# KiCad board 5x5x2-part2.kicad_pcb
title: Orochi 5x5x2; date: 2022-06-25; company: Willem Dijkstra
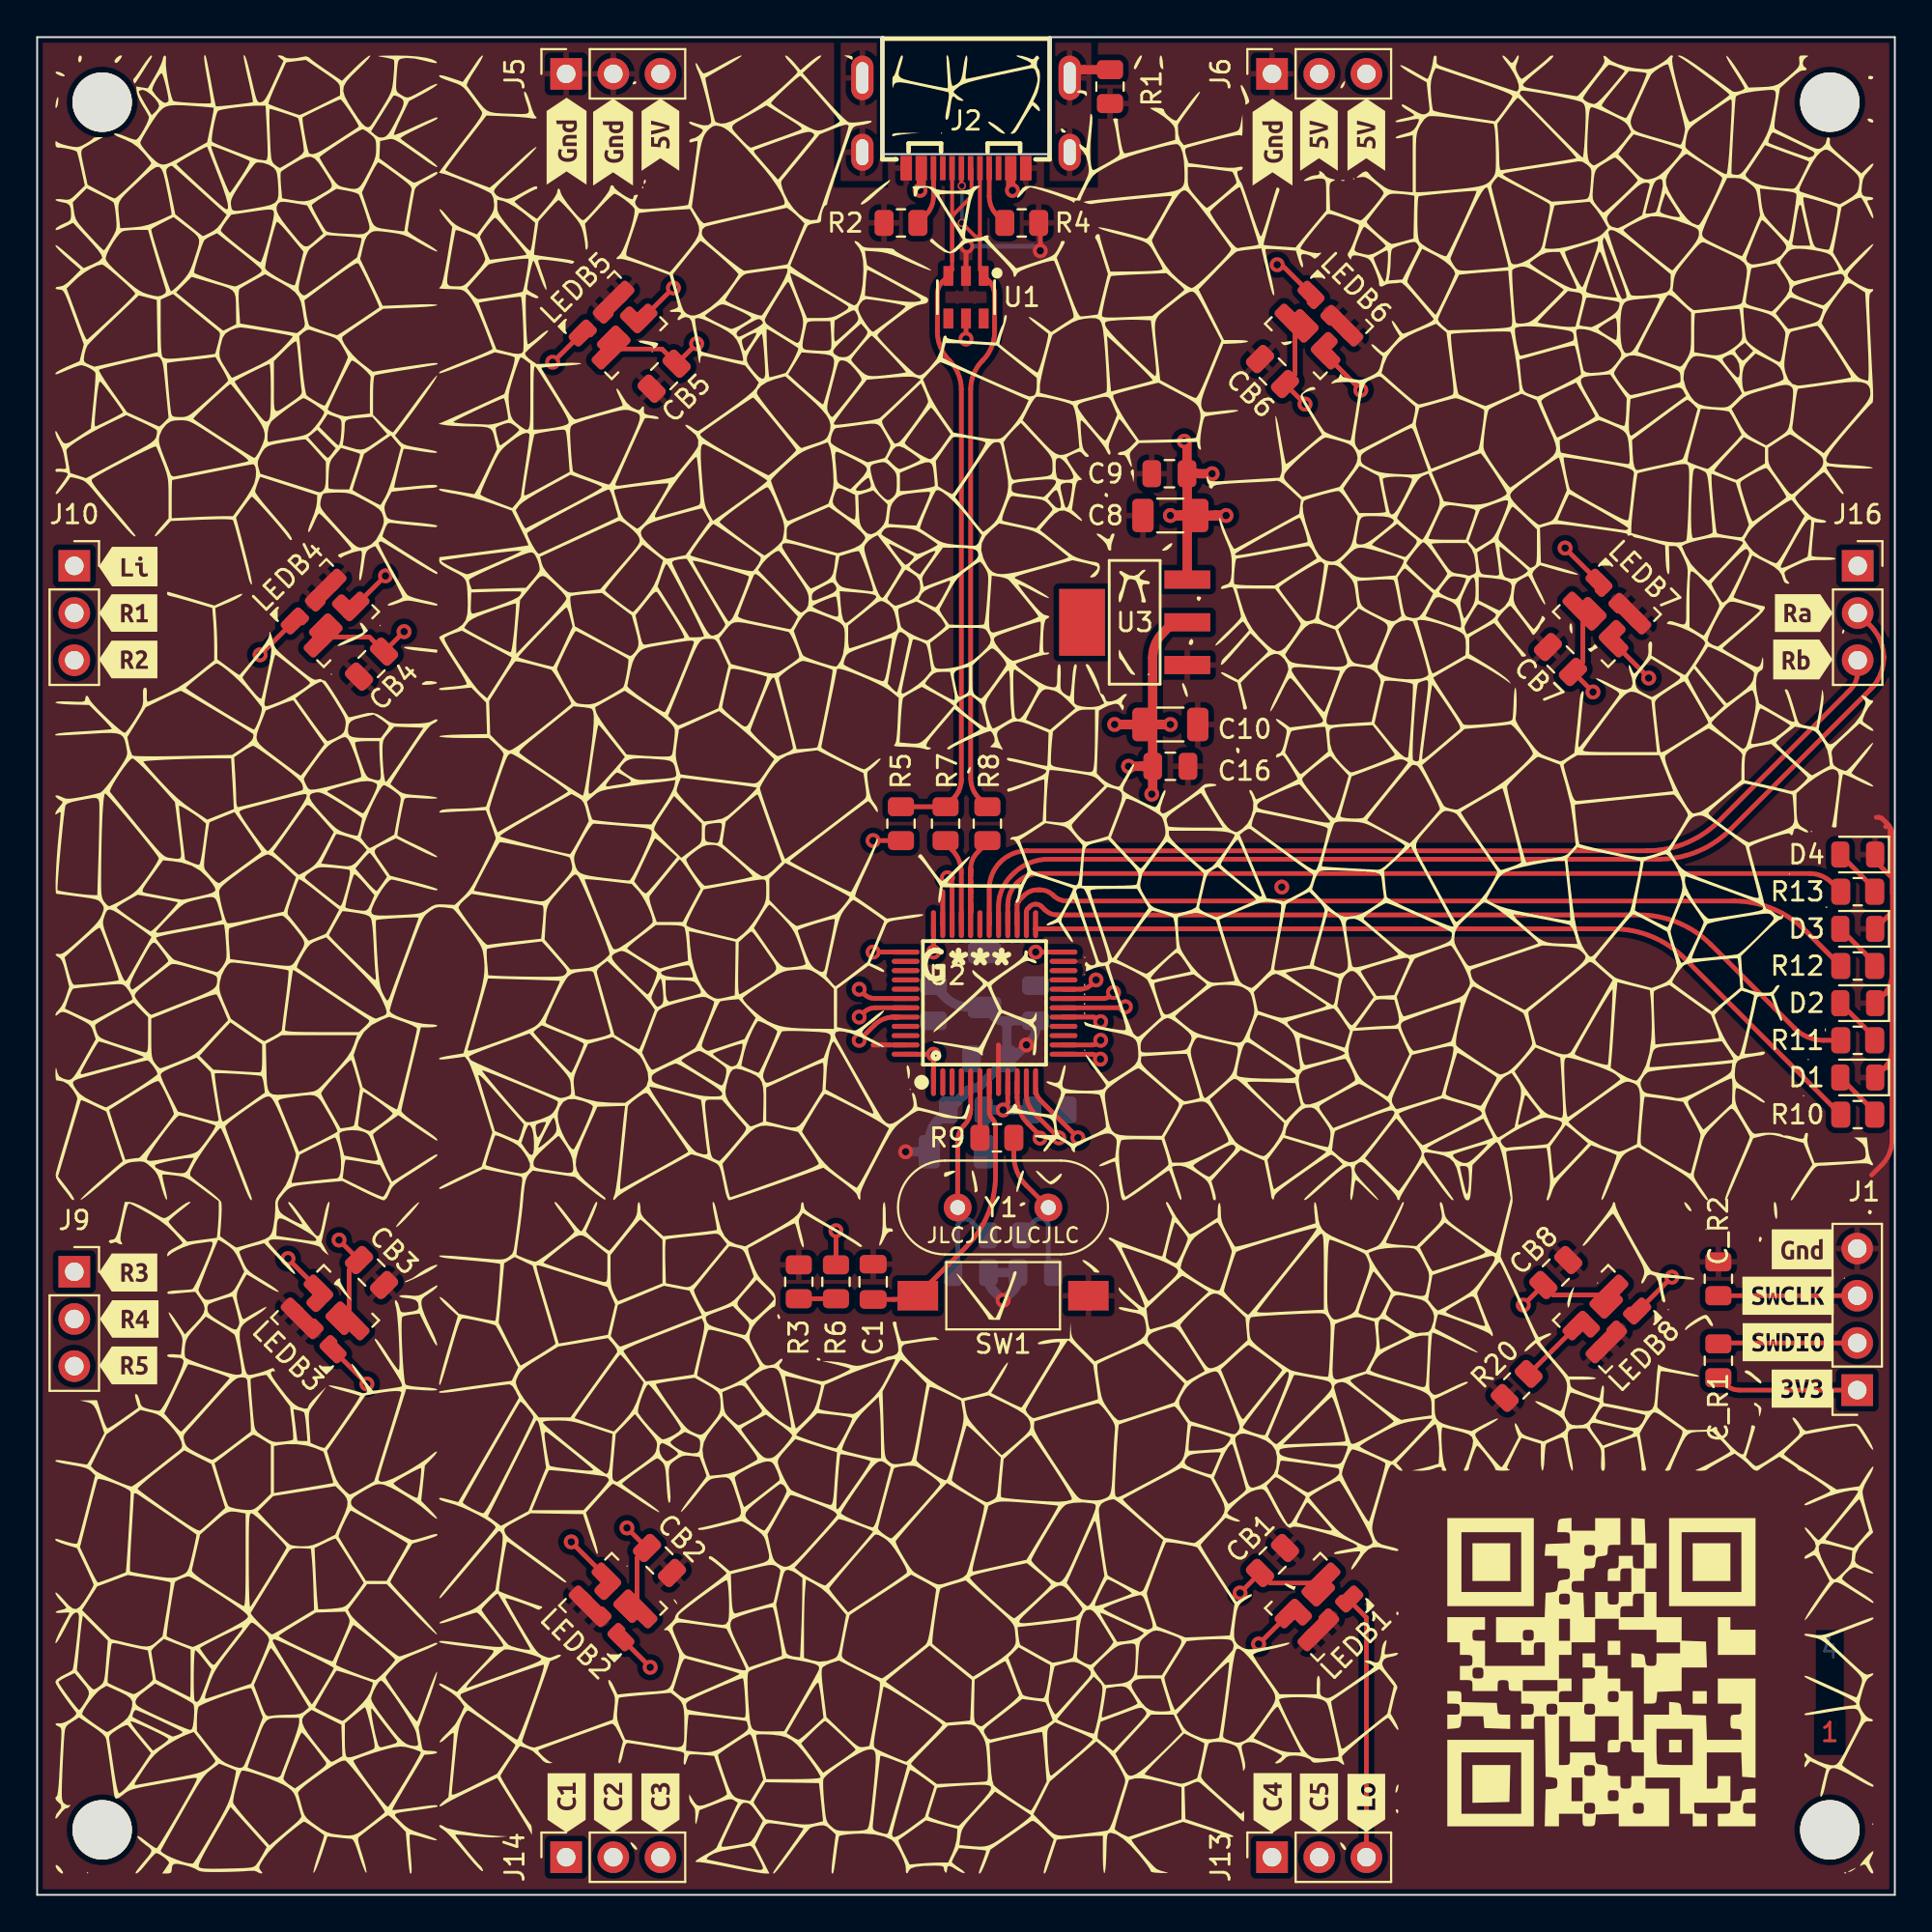
[diagram p0: board, top side]
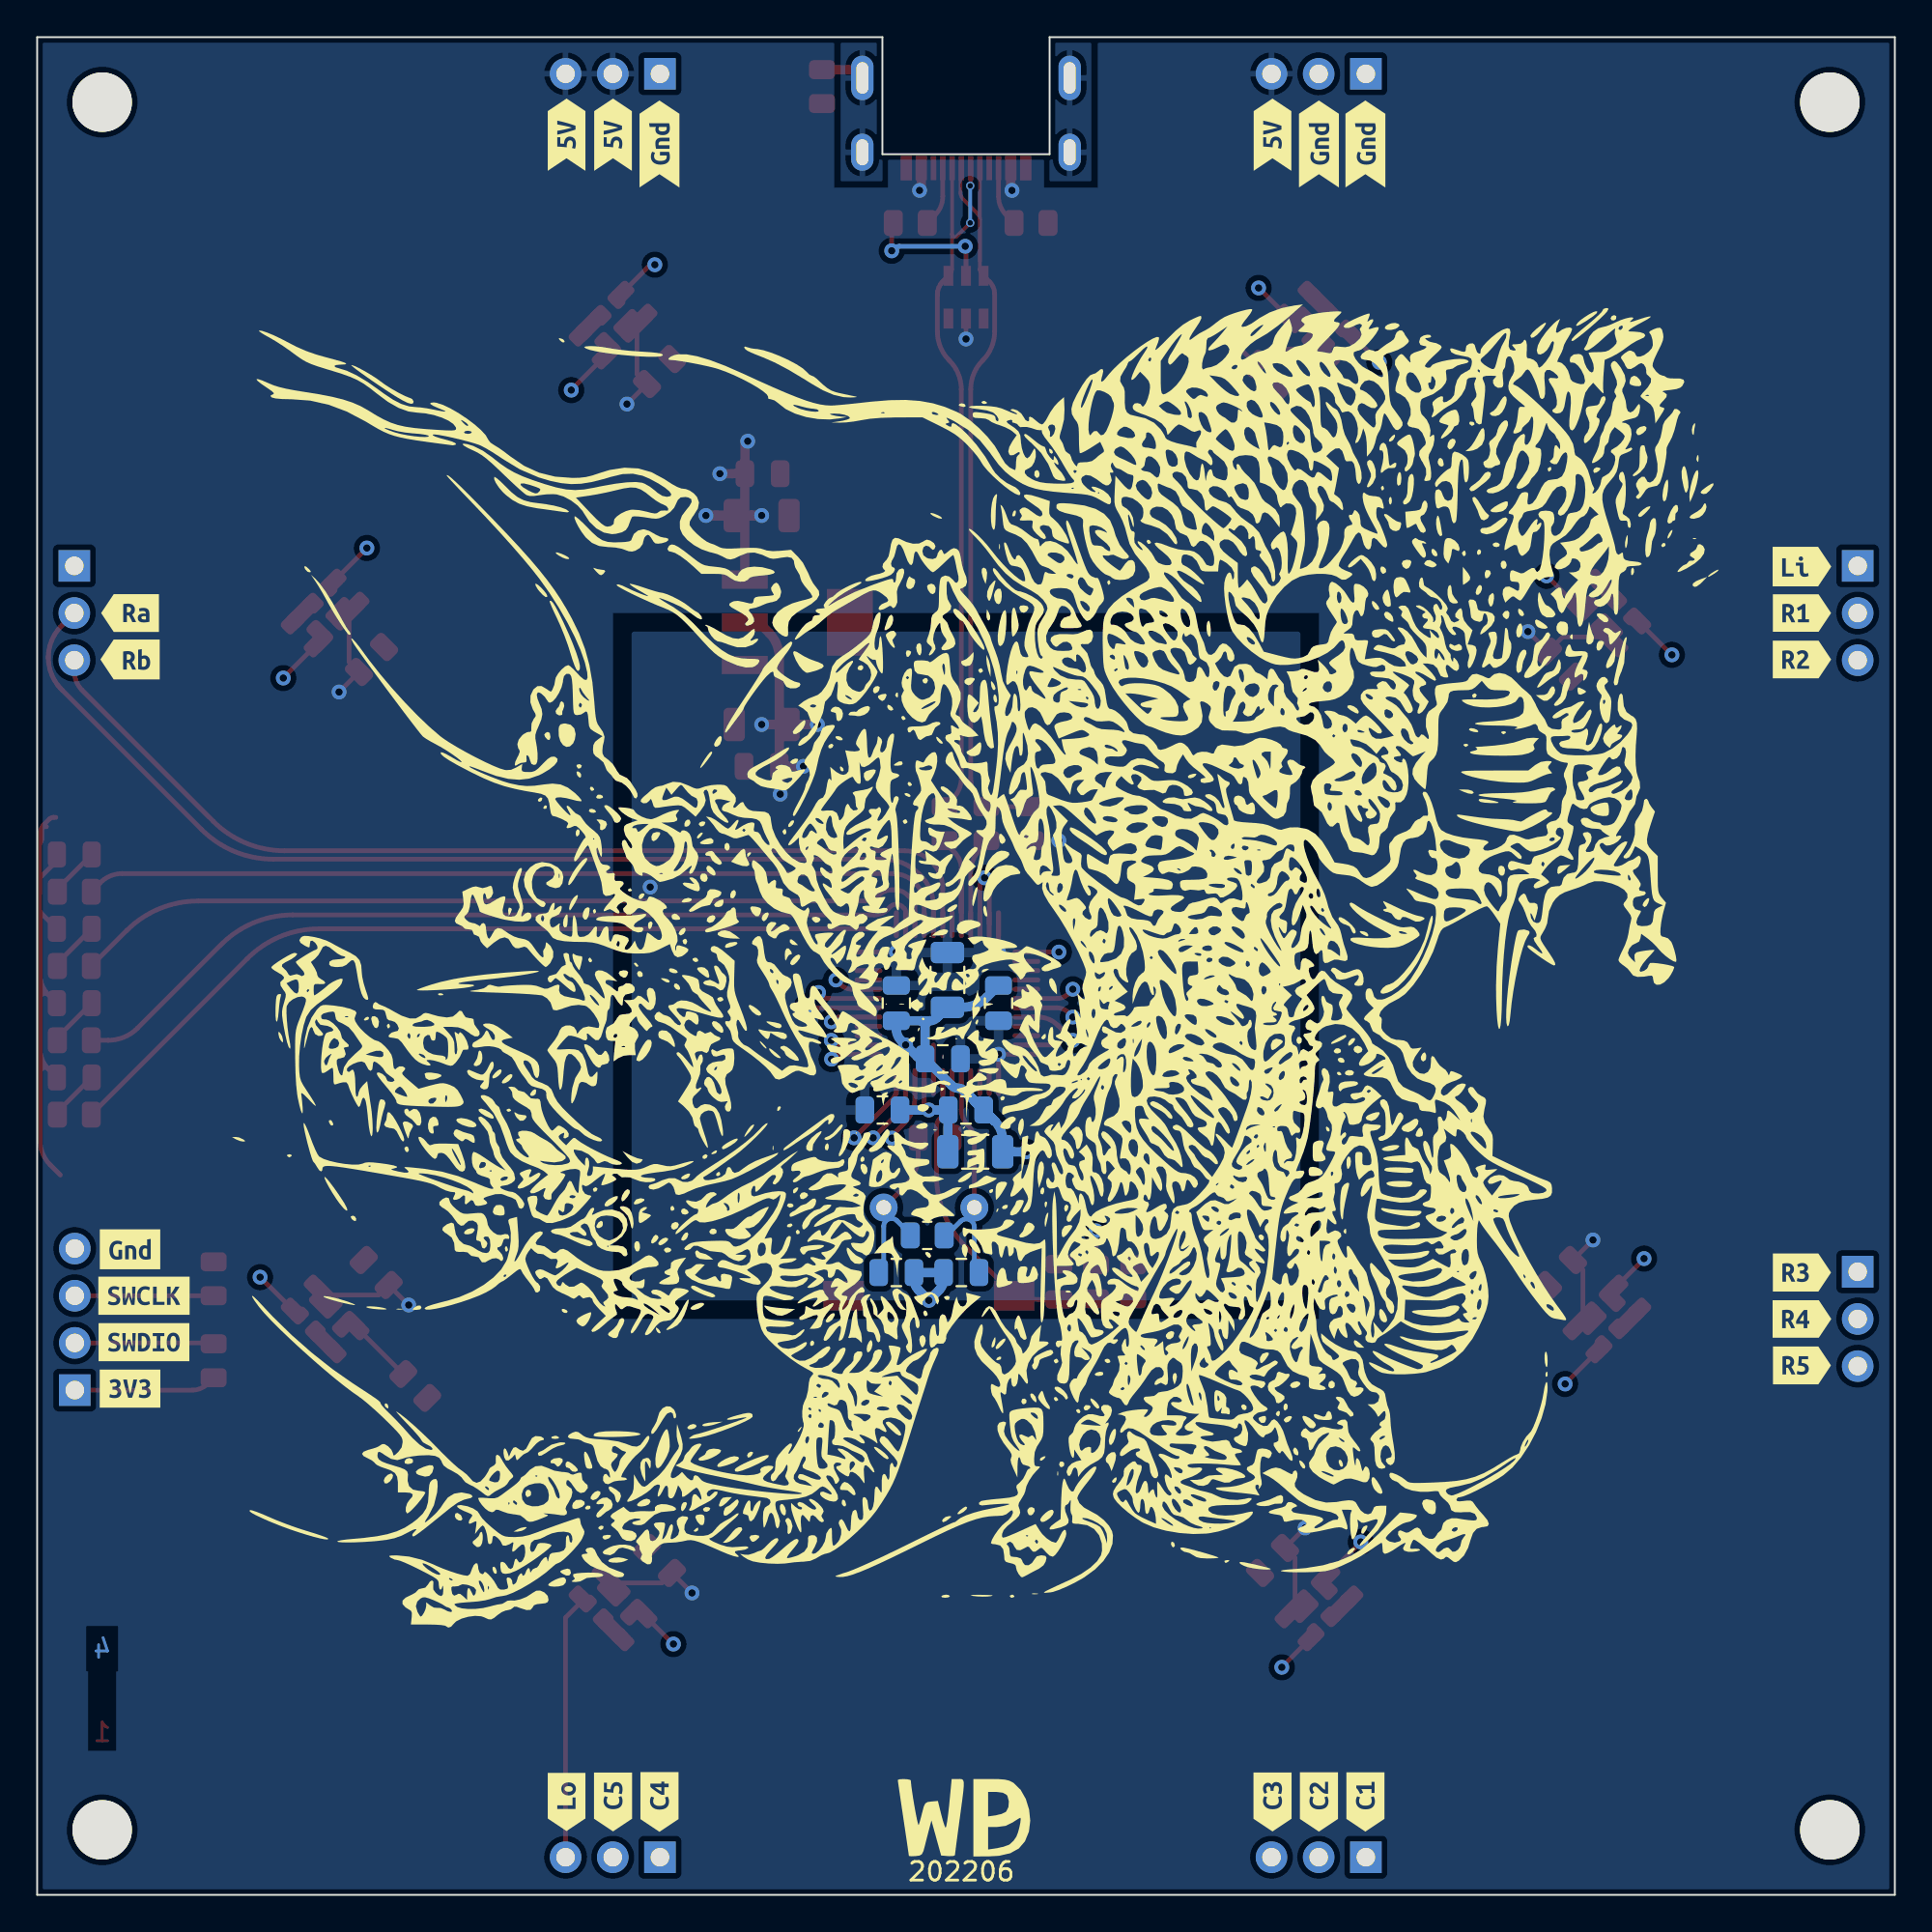
[diagram p1: board, bottom side, seen from below]

Outline 100 x 100 mm; copper layers: Top, In1.Cu, In2.Cu, Bottom. Coordinates in mm from the lower left corner of the outline.
Outline path: 0,0 0,100 45.5,100 45.5,93.7 54.5,93.7 54.5,100 100,100 100,0 0,0
Stack: Top 0.035mm / dielectric 0.11mm FR4 er 4.5 / In1.Cu 0.035mm / dielectric 1.1mm FR4 er 4.5 / In2.Cu 0.035mm / dielectric 0.11mm FR4 er 4.5 / Bottom 0.035mm

## Placement (name value [footprint] x y rotation side)
C1  100n  [C_0805_2012Metric]  45 33 90 top
C2  10u  [C_1206_3216Metric]  51 49.25 270 bottom
C3  100n  [C_0805_2012Metric]  51.25 45 0 bottom
C4  100n  [C_0805_2012Metric]  48.25 48 90 bottom
C5  100n  [C_0805_2012Metric]  53.75 48 270 bottom
C6  1u  [C_1206_3216Metric]  49.5 40 180 bottom
C7  1n  [C_0805_2012Metric]  50 42.25 180 bottom
C8  1u  [C_1206_3216Metric]  61 74.25 180 top
C9  100n  [C_0805_2012Metric]  60.95 76.5 180 top
C10  10u  [C_1206_3216Metric]  61 63 0 top
C16  100n  [C_0805_2012Metric]  61 60.75 0 top
C17  20p  [C_0805_2012Metric]  50.25 33.5 180 bottom
C18  20p  [C_0805_2012Metric]  53.75 33.5 0 bottom
C_R1  10k  [R_0805_2012Metric]  90.5 28.75 90 top
C_R2  10k  [R_0805_2012Metric]  90.5 33.16 90 top
C_R3  1M  [R_0805_2012Metric]  52.09 35.5 0 bottom
CB1  100n  [C_0805_2012Metric]  66.5 18 45 top
CB2  100n  [C_0805_2012Metric]  33.5 18 315 top
CB3  100n  [C_0805_2012Metric]  18 33.5 315 top
CB4  100n  [C_0805_2012Metric]  18 66.25 225 top
CB5  100n  [C_0805_2012Metric]  33.75 81.75 225 top
CB6  100n  [C_0805_2012Metric]  66.5 82 135 top
CB7  100n  [C_0805_2012Metric]  82 66.5 135 top
CB8  100n  [C_0805_2012Metric]  81.75 33.5 45 top
D1  Led_Small  [LED_0805_2012Metric]  98 44 180 top
D2  Led_Small  [LED_0805_2012Metric]  98 48 180 top
D3  Led_Small  [LED_0805_2012Metric]  98 52 180 top
D4  Led_Small  [LED_0805_2012Metric]  98 56 180 top
G***  -  [LOGO]  50 50 0 top
G***#2  -  [LOGO]  50 4.25 180 bottom
J1  SW Debug  [PinSocket_1x04_P2.54mm_Vertical]  97.97 27.17 180 top
J2  USB_C_Receptacle_USB2.0  [USB-C-SMD_TYPE-C-USB-4]  50 95.41 180 top
J5  Conn_01x03_Female  [PinSocket_1x03_P2.54mm_Vertical]  28.47 98.03 90 top
J6  Conn_01x03_Female  [PinSocket_1x03_P2.54mm_Vertical]  66.47 98.03 90 top
J9  Conn_01x03_Female  [PinSocket_1x03_P2.54mm_Vertical]  2 33.54 0 top
J10  Conn_01x03_Female  [PinSocket_1x03_P2.54mm_Vertical]  2 71.54 0 top
J13  Conn_01x03_Female  [PinSocket_1x03_P2.54mm_Vertical]  66.47 2.03 90 top
J14  Conn_01x03_Female  [PinSocket_1x03_P2.54mm_Vertical]  28.47 2.03 90 top
J16  Conn_01x03_Female  [PinSocket_1x03_P2.54mm_Vertical]  98 71.54 0 top
kibuzzard-62AF6B7C  G***  [kibuzzard-62AF6B7C]  5 28.5 180 bottom
kibuzzard-62AF6B38  G***  [kibuzzard-62AF6B38]  5 31 180 bottom
kibuzzard-62AF6BA3  G***  [kibuzzard-62AF6BA3]  5 66.5 180 bottom
kibuzzard-62AF6BAD  G***  [kibuzzard-62AF6BAD]  5 69 180 bottom
kibuzzard-62AF7A14  G***  [kibuzzard-62AF7A14]  95 34.75 0 top
kibuzzard-62AF7A14#2  G***  [kibuzzard-62AF7A14]  95 34.75 180 bottom
kibuzzard-62AF7A28  G***  [kibuzzard-62AF7A28]  94.25 32.25 0 top
kibuzzard-62AF7A28#2  G***  [kibuzzard-62AF7A28]  94.25 32.25 180 bottom
kibuzzard-62AF7A49  G***  [kibuzzard-62AF7A49]  94.25 29.75 0 top
kibuzzard-62AF7A49#2  G***  [kibuzzard-62AF7A49]  94.25 29.75 180 bottom
kibuzzard-62AF7A56  G***  [kibuzzard-62AF7A56]  95 27.25 0 top
kibuzzard-62AF7A56#2  G***  [kibuzzard-62AF7A56]  95 27.25 180 bottom
kibuzzard-62AF7CA9  G***  [kibuzzard-62AF7CA9]  5 33.5 180 bottom
kibuzzard-62AF7CCF  G***  [kibuzzard-62AF7CCF]  5 71.5 180 bottom
kibuzzard-62AF73B1  G***  [kibuzzard-62AF73B1]  31 94.35 90 top
kibuzzard-62AF73B1#2  G***  [kibuzzard-62AF73B1]  66.5 94.35 90 top
kibuzzard-62AF73B1#3  G***  [kibuzzard-62AF73B1]  28.5 94.4 90 top
kibuzzard-62AF73B1#4  G***  [kibuzzard-62AF73B1]  28.5 94.25 90 bottom
kibuzzard-62AF73B1#5  G***  [kibuzzard-62AF73B1]  66.5 94.25 90 bottom
kibuzzard-62AF73B1#6  G***  [kibuzzard-62AF73B1]  31 94.25 90 bottom
kibuzzard-62AF73D1  G***  [kibuzzard-62AF73D1]  71.55 94.75 90 top
kibuzzard-62AF73D1#2  G***  [kibuzzard-62AF73D1]  69 94.75 90 top
kibuzzard-62AF73D1#3  G***  [kibuzzard-62AF73D1]  33.55 94.75 90 top
kibuzzard-62AF73D1#4  G***  [kibuzzard-62AF73D1]  69 94.75 90 bottom
kibuzzard-62AF73D1#5  G***  [kibuzzard-62AF73D1]  71.5 94.75 90 bottom
kibuzzard-62AF73D1#6  G***  [kibuzzard-62AF73D1]  33.5 94.75 90 bottom
kibuzzard-62AF74B5  G***  [kibuzzard-62AF74B5]  28.5 4.95 90 top
kibuzzard-62AF74B5#2  G***  [kibuzzard-62AF74B5]  28.5 5 90 bottom
kibuzzard-62AF74BF  G***  [kibuzzard-62AF74BF]  31 4.95 90 top
kibuzzard-62AF74BF#2  G***  [kibuzzard-62AF74BF]  31 5 90 bottom
kibuzzard-62AF74C8  G***  [kibuzzard-62AF74C8]  33.55 4.95 90 top
kibuzzard-62AF74C8#2  G***  [kibuzzard-62AF74C8]  33.5 5 90 bottom
kibuzzard-62AF74DA  G***  [kibuzzard-62AF74DA]  4.9 33.5 0 top
kibuzzard-62AF74E3  G***  [kibuzzard-62AF74E3]  4.95 31 0 top
kibuzzard-62AF74EC  G***  [kibuzzard-62AF74EC]  4.9 28.5 0 top
kibuzzard-62AF74F7  G***  [kibuzzard-62AF74F7]  4.9 66.5 0 top
kibuzzard-62AF74FE  G***  [kibuzzard-62AF74FE]  4.9 69 0 top
kibuzzard-62AF742E  G***  [kibuzzard-62AF742E]  95.05 66.5 0 top
kibuzzard-62AF749F  G***  [kibuzzard-62AF749F]  71.55 4.95 90 top
kibuzzard-62AF749F#2  G***  [kibuzzard-62AF749F]  71.5 5 90 bottom
kibuzzard-62AF750A  G***  [kibuzzard-62AF750A]  4.9 71.5 0 top
kibuzzard-62AF7423  G***  [kibuzzard-62AF7423]  95.1 69 0 top
kibuzzard-62AF7487  G***  [kibuzzard-62AF7487]  66.5 4.95 90 top
kibuzzard-62AF7487#2  G***  [kibuzzard-62AF7487]  66.5 5 90 bottom
kibuzzard-62AF7492  G***  [kibuzzard-62AF7492]  69 4.95 90 top
kibuzzard-62AF7492#2  G***  [kibuzzard-62AF7492]  69 5 90 bottom
kibuzzard-62B6DFF3  G***  [kibuzzard-62B6DFF3]  95 69 180 bottom
kibuzzard-62B6E005  G***  [kibuzzard-62B6E005]  95 66.5 180 bottom
L1  bead  [C_0805_2012Metric]  54.5 42.25 180 bottom
LEDB1  SK6812MINI  [SK6812_mini]  69 15.5 45 top
LEDB2  SK6812MINI  [SK6812_mini]  31 15.5 315 top
LEDB3  SK6812MINI  [SK6812_mini]  15.5 31 315 top
LEDB4  SK6812MINI  [SK6812_mini]  15.5 69 225 top
LEDB5  SK6812MINI  [SK6812_mini]  31 84.5 225 top
LEDB6  SK6812MINI  [SK6812_mini]  69 84.5 135 top
LEDB7  SK6812MINI  [SK6812_mini]  84.5 69 135 top
LEDB8  SK6812MINI  [SK6812_mini]  84.5 31 45 top
NOREF  -  [6066b2b7-d2ea-446b-a3ec-363ac94d605e]  13.13 84.97 0 bottom
R1  0  [R_0805_2012Metric]  57.75 97.34 90 top
R2  5k1  [R_0805_2012Metric]  46.5 90 0 top
R3  0  [R_0805_2012Metric]  41 33 90 top
R4  5k1  [R_0805_2012Metric]  53 90 180 top
R5  1k5  [R_0805_2012Metric]  46.5 57.66 270 top
R6  10k  [R_0805_2012Metric]  43 33 270 top
R7  22  [R_0805_2012Metric]  48.9 57.66 90 top
R8  22  [R_0805_2012Metric]  51.15 57.66 90 top
R9  33  [R_0805_2012Metric]  51.66 40.75 180 top
R10  1k  [R_0805_2012Metric]  98 42 180 top
R11  1k  [R_0805_2012Metric]  98 46 180 top
R12  1k  [R_0805_2012Metric]  98 50 180 top
R13  1k  [R_0805_2012Metric]  98 54 180 top
R20  470  [R_0805_2012Metric]  79.65 27.4 45 top
REF**  -  [MountingHole_3.2mm_M3]  96.5 96.5 0 top
REF**#2  -  [MountingHole_3.2mm_M3]  96.5 3.5 0 top
REF**#3  -  [MountingHole_3.2mm_M3]  3.5 3.5 0 top
REF**#4  -  [MountingHole_3.2mm_M3]  3.5 96.5 0 top
SW1  SW  [SW_SPST_FSMSM]  52 32.25 180 top
U1  SRV0504  [SOT-23-6_L2.9-W1.6-P0.95-LS2.8-BL]  50 86 180 top
U2  STM32F103C8  [LQFP-48_L7.0-W7.0-P0.50-LS9.0-BL]  51 48 0 top
U3  LD1117S33CTR  [SOT-223-4_L6.5-W3.5-P2.30-LS7.0-BR]  59.08 68.5 0 top
Y1  16M  [Crystal_HC49-U_Vertical]  49.55 37 0 top

## Footprints (pads in the part's own frame, mm; a bottom-side part is the same pattern mirrored in y, then rotated)
C_0805_2012Metric
  rrect 1x1.45 smd: 1(-0.95,0) 2(0.95,0)
C_1206_3216Metric
  rrect 1.15x1.8 smd: 1(-1.475,0) 2(1.475,0)
Crystal_HC49-U_Vertical
  round 1.5 hole 0.8: 1(0,0) 2(4.88,0)
LED_0805_2012Metric
  rrect 0.975x1.4 smd: 1(-0.938,0) 2(0.938,0)
LQFP-48_L7.0-W7.0-P0.50-LS9.0-BL
  oval 0.27x1.5 smd: 1(-2.75,-4.25) 2(-2.25,-4.25) 3(-1.75,-4.25) 4(-1.25,-4.25) 5(-0.75,-4.25) 6(-0.25,-4.25) 7(0.25,-4.25) 8(0.75,-4.25) 9(1.25,-4.25) 10(1.75,-4.25) 11(2.25,-4.25) 12(2.75,-4.25) 25(2.75,4.25) 26(2.25,4.25) 27(1.75,4.25) 28(1.25,4.25) 29(0.75,4.25) 30(0.25,4.25) 31(-0.25,4.25) 32(-0.75,4.25) 33(-1.25,4.25) 34(-1.75,4.25) 35(-2.25,4.25) 36(-2.75,4.25)
  oval 1.5x0.27 smd: 13(4.25,-2.75) 14(4.25,-2.25) 15(4.25,-1.75) 16(4.25,-1.25) 17(4.25,-0.75) 18(4.25,-0.25) 19(4.25,0.25) 20(4.25,0.75) 21(4.25,1.25) 22(4.25,1.75) 23(4.25,2.25) 24(4.25,2.75) 37(-4.25,2.75) 38(-4.25,2.25) 39(-4.25,1.75) 40(-4.25,1.25) 41(-4.25,0.75) 42(-4.25,0.25) 43(-4.25,-0.25) 44(-4.25,-0.75) 45(-4.25,-1.25) 46(-4.25,-1.75) 47(-4.25,-2.25) 48(-4.25,-2.75)
MountingHole_3.2mm_M3
  round 3.2 hole 3.2 unplated: (0,0)
PinSocket_1x03_P2.54mm_Vertical
  rect 1.7x1.7 hole 1: 1(0,0)
  oval 1.7x1.7 hole 1: 2(0,-2.54) 3(0,-5.08)
PinSocket_1x04_P2.54mm_Vertical
  rect 1.7x1.7 hole 1: 1(0,0)
  oval 1.7x1.7 hole 1: 2(0,-2.54) 3(0,-5.08) 4(0,-7.62)
R_0805_2012Metric
  rrect 1.025x1.4 smd: 1(-0.912,0) 2(0.912,0)
SK6812_mini
  rrect 1.15x0.85 smd: 1(-1.625,0.875) 2(-1.625,-0.875) 3(1.625,-0.875) 4(1.625,0.875)
  oval 1.5x0.85 smd: 1(-1.3,0.875)
  rrect 0.85x1.45 smd: 1(-0.975,0.575)
  oval 2.2x0.85 smd: 2(-0.95,-0.875) 4(0.95,0.875)
  rect 1.6x0.85 smd: 2(-0.75,-0.875)
  rrect 0.875x0.95 smd: 2(-0.075,-0.825)
  rrect 0.65x0.95 smd: 3(1.08,-0.825)
  oval 1.3x0.85 smd: 3(1.4,-0.875)
  rrect 1.55x1.25 smd: 4(0.625,0.68)
SOT-23-6_L2.9-W1.6-P0.95-LS2.8-BL
  rect 0.53x1.07 smd: 1(-0.95,-1.15) 2(0,-1.15) 3(0.95,-1.15) 4(0.95,1.15) 5(0,1.15) 6(-0.95,1.15)
SOT-223-4_L6.5-W3.5-P2.30-LS7.0-BR
  rect 2.47x0.98 smd: 1(2.83,-2.3) 2(2.83,0) 3(2.83,2.3)
  rect 2.47x3.6 smd: 4(-2.83,0)
SW_SPST_FSMSM
  rect 2.18x1.6 smd: 1(-4.59,0) 2(4.59,0)
USB-C-SMD_TYPE-C-USB-4
  rect 0.6x1.3 smd: A1(-3.21,2.465) A4(-2.41,2.465) A9(2.41,2.465) A12(3.21,2.465) B1(3.21,2.465) B4(2.41,2.465) B9(-2.41,2.465) B12(-3.21,2.465)
  rect 0.3x1.3 smd: A5(-1.25,2.465) A6(-0.25,2.465) A7(0.25,2.465) A8(1.25,2.465) B5(1.75,2.465) B6(0.75,2.465) B7(-0.75,2.465) B8(-1.75,2.465)
  oval 1.2x2 hole 0.65x1.4: S1(-5.58,1.61) S1(5.58,1.61)
  oval 1.2x2.4 hole 0.65x1.7: S1(-5.58,-2.39) S1(5.58,-2.39)

## Nets
+3V3: C2.1 C3.1 C4.1 C5.1 C10.1 C16.1 C_R1.1 J1.1 L1.1 R5.2 U2.1 U2.24 U2.36 U2.48 U3.2
GND: C1.2 C2.2 C3.2 C4.2 C5.2 C6.2 C7.2 C8.2 C9.2 C10.2 C16.2 C17.1 C18.1 C_R2.2 CB1.2 CB2.2 CB3.2 CB4.2 CB5.2 CB6.2 CB7.2 CB8.2 D1.1 D2.1 D3.1 D4.1 J1.4 J2.A1 J2.A12 J2.B1 J2.B12 J5.1 J5.2 J6.1 LEDB1.2 LEDB2.2 LEDB3.2 LEDB4.2 LEDB5.2 LEDB6.2 LEDB7.2 LEDB8.2 R1.1 R2.1 R3.2 R4.1 R20.1 SW1.1 U1.2 U2.8 U2.23 U2.35 U2.47 U3.1
/SHIELD: J2.S1 R1.2
/~RESET: C1.1 SW1.2 U2.7
BACKLIGHTIN: J10.1 U2.17
BACKLIGHTOUT: J13.3 LEDB1.3
COL1: J14.1 U2.18
COL2: J14.2 U2.19
COL3: J14.3 U2.20
COL4: J13.1 U2.42
COL5: J13.2 U2.43
ROTA: J16.2 U2.29
ROTB: J16.3 U2.30
ROTD: J10.2 U2.10
ROW2: J10.3 U2.11
ROW3: J9.1 U2.12
ROW4: J9.2 U2.13
ROW5: J9.3 U2.14
USBDN: J2.A7 J2.B7 R8.2 U1.1
USBDP: J2.A6 J2.B6 R5.1 R7.2 U1.3
Vusb: C8.1 C9.1 CB1.1 CB2.1 CB3.1 CB4.1 CB5.1 CB6.1 CB7.1 CB8.1 J2.A4 J2.A9 J2.B4 J2.B9 J5.3 J6.2 J6.3 LEDB1.4 LEDB2.4 LEDB3.4 LEDB4.4 LEDB5.4 LEDB6.4 LEDB7.4 LEDB8.4 U1.5 U3.3
Net-(C6-Pad1): C6.1 C7.1 L1.2 U2.9
Net-(C17-Pad2): C17.2 C_R3.1 U2.5 Y1.1
Net-(C18-Pad2): C18.2 C_R3.2 R9.1 Y1.2
Net-(C_R1-Pad2): C_R1.2 J1.2 U2.34
Net-(C_R2-Pad1): C_R2.1 J1.3 U2.37
Net-(D1-Pad2): D1.2 R10.1
Net-(D2-Pad2): D2.2 R11.1
Net-(D3-Pad2): D3.2 R12.1
Net-(D4-Pad2): D4.2 R13.1
Net-(J2-PadA5): J2.A5 R4.2
Net-(J2-PadB5): J2.B5 R2.2
Net-(LEDB1-Pad1): LEDB1.1 LEDB2.3
Net-(LEDB2-Pad1): LEDB2.1 LEDB3.3
Net-(LEDB3-Pad1): LEDB3.1 LEDB4.3
Net-(LEDB4-Pad1): LEDB4.1 LEDB5.3
Net-(LEDB5-Pad1): LEDB5.1 LEDB6.3
Net-(LEDB6-Pad1): LEDB6.1 LEDB7.3
Net-(LEDB7-Pad1): LEDB7.1 LEDB8.3
Net-(LEDB8-Pad1): LEDB8.1 R20.2
Net-(R3-Pad1): R3.1 R6.2
Net-(R6-Pad1): R6.1 U2.44
Net-(R7-Pad1): R7.1 U2.33
Net-(R8-Pad1): R8.1 U2.32
Net-(R9-Pad2): R9.2 U2.6
Net-(R10-Pad2): R10.2 U2.25
Net-(R11-Pad2): R11.2 U2.26
Net-(R12-Pad2): R12.2 U2.27
Net-(R13-Pad2): R13.2 U2.28

Pads without a net: J2 A8 B8; J16 1; U1 4 6; U2 2 3 4 15 16 21 22 31 38 39 40 41 45 46; U3 4

## Via types
v1: diameter 0.8, hole 0.4, Top to Bottom, 59 vias
v2: diameter 0.45, hole 0.3, Top to Bottom, 2 vias

## Routing (per net, layer and track width the routed paths; a pad name or vN(x,y) marks a point on that pad's centre or on a via; arc(x,y) is an arc through that point)
+3V3: length 71.4
  Top w0.25: J1.1 91.64,27.17 arc(91.2,27.26) 90.83,27.5
  Top w0.254: v1(45,56.75) R5.2 ; U2.48 v1(48.25,45.25) U2.1 ; v1(48.25,50.75) U2.36 ; v1(53.75,50.75) U2.24
  Top w0.5: 60.05,60.1 60.05,61.4 ; 60.05,60.1 60.05,59.3 ; 60.05,60.1 arc(59.86,60.56) 59.4,60.75 ; 60.05,61.4 60.05,66.6 arc(60.19,67.32) 60.61,67.94 61.16,68.5 ; 60.05,61.4 arc(59.86,60.94) 59.4,60.75 ; v1(58,63) 59.22,63 ; 59.84,63 v1(61,63) ; v1(58.75,60.75) 59.4,60.75
  In2.Cu w0.254: J1.1 72.27,52.87 arc(70.75,53.89) 68.95,54.25 v1(67,54.25)
  vias: v1(60,59.25)
GND: length 66.3
  Top w0.25: 14.21,31.51 14.15,31.51 arc(13.78,31.59) 13.47,31.8 ; 29.65,16.01 29.71,16.01 ; 68.49,14.21 68.49,14.15
  Top w0.254: 99.5,57.5 99.62,57.5 arc(99.71,57.46) 99.75,57.38 99.75,56.84 arc(99.77,56.76) 99.81,56.69 ; 98.75,38.75 99.3,39.3 arc(99.7,39.9) 99.84,40.62 99.84,44.27 ; U2.47 45,45.75 ; 99.84,49.55 99.84,52.89 ; 99.84,49.55 99.84,48.27 ; 99.84,49.55 arc(99.73,48.96) 99.39,48.45 ; 99.84,52.89 arc(99.85,52.9) 99.86,52.92 ; 99.84,52.89 arc(99.84,52.89) 99.83,52.89 ; 99.84,44.27 99.84,45.55 ; 99.84,44.27 arc(99.68,44.51) 99.39,44.45 ; U2.35 48.75,54 ; 99.39,44.45 D1.1 ; 99.39,44.45 arc(99.73,44.96) 99.84,45.55 ; 99.84,45.55 99.84,48.27 ; 99,58 99.12,58 arc(99.24,57.98) 99.34,57.91 99.61,57.64 arc(99.8,57.35) 99.87,57 99.87,56.71 ; 99.87,56.71 99.87,56.54 ; 99.87,56.71 arc(99.85,56.68) 99.81,56.69 ; 99.87,56.54 99.87,53.91 ; 99.87,56.54 arc(99.86,56.62) 99.81,56.69 ; 99.87,53.91 99.87,54.72 98.94,55.66 98.94,55.75 ; 99.87,53.91 99.87,52.96 arc(99.87,52.94) 99.86,52.92 ; 99.39,48.45 D2.1 ; 99.39,48.45 arc(99.68,48.51) 99.84,48.27 ; v1(50.04,88.74) 50.02,88.72 arc(50.01,88.7) 50,88.67 U1.2 ; U2.8 51.75,45.75 ; v1(54,88.5) 54,89.85 ; 99.83,52.89 D3.1 ; 99.83,52.89 99.86,52.92
  Bottom w0.254: v1(50.04,88.74) 53.59,88.74 arc(53.74,88.71) 53.88,88.62 v1(54,88.5)
  Bottom w0.5: v1(46.75,40) 47.41,40 arc(47.85,40.18) 48.03,40.61 arc(48.14,41.18) 48.46,41.66 arc(48.46,41.66) 48.46,41.66 48.53,41.73 arc(48.53,41.73) 48.53,41.73 48.55,41.75 arc(48.55,41.75) 48.55,41.75 48.64,41.84 arc(48.64,41.84) 48.64,41.84 48.7,41.9 arc(48.7,41.9) 48.7,41.9 48.81,42.01 ; 52.44,47.05 51.96,47.05 ; 52.44,47.05 53.35,47.05 arc(53.63,46.93) 53.75,46.65 53.75,46.6 arc(53.69,46.28) 53.5,46 v1(53.25,45.75) 52.61,45.11 arc(52.49,45.03) 52.35,45 ; 52.44,47.05 arc(52.27,46.98) 52.2,46.81 ; 51.96,47.05 arc(52.13,46.98) 52.2,46.81 ; 51.96,47.05 arc(51.74,47.09) 51.56,47.22 51.36,47.41 arc(50.96,47.68) 50.49,47.78 50.21,47.78 arc(49.48,47.92) 48.87,48.33 C4.2 ; 52.09,44.89 50.77,43.57 arc(50.61,43.46) 50.42,43.42 arc(50.24,43.39) 50.08,43.28 49.29,42.49 ; 52.2,46.81 52.2,45.15 ; v1(52,32) 51.45,32.55 arc(51.26,32.83) 51.2,33.15 arc(51.3,33.4) 51.55,33.5 52.45,33.5 arc(52.7,33.4) 52.8,33.15 arc(52.74,32.83) 52.55,32.55 v1(52,32)
/SHIELD: length 2
  Top w0.5: R1.2 56.34,98.25 arc(56.05,98.19) 55.8,98.03
/~RESET: length 15.4
  Top w0.254: U2.7 51.25,42.18 arc(51.29,41.96) 51.42,41.77 arc(51.54,41.59) 51.59,41.36 51.59,38.72 arc(51.17,36.63) 50,34.87 47.95,32.82 arc(47.09,32.25) 46.09,32.05 C1.1
BACKLIGHTIN: length 73.1
  Top w0.254: U2.17 56.82,47.25 arc(56.99,47.22) 57.12,47.12 v1(57.25,47)
  In2.Cu w0.254: v1(57.25,47) 56.49,47 arc(55.78,46.86) 55.18,46.46 52.32,43.59 arc(50.55,42.41) 48.47,42 28.33,42 arc(26.25,42.41) 24.49,43.59 4.77,63.31 arc(3.59,65.07) 3.18,67.16 3.18,69.53 arc(3.02,70.3) 2.59,70.95
BACKLIGHTOUT: length 14.2
  Top w0.25: J13.3 71.56,14.92 LEDB1.3
COL1: length 65.5
  Top w0.254: v1(58.58,47.8) 58.55,47.78 arc(58.52,47.76) 58.49,47.75 U2.18
  In1.Cu w0.254: v1(58.58,47.8) 59.74,46.65 arc(60.6,45.36) 60.9,43.85 60.9,41.4 arc(60.49,39.32) 59.31,37.56 40.64,18.89 arc(38.88,17.71) 36.8,17.3 35.95,17.3 arc(33.87,16.89) 32.11,15.71 30.07,13.67 arc(28.89,11.9) 28.47,9.82 J14.1
COL2: length 66.8
  Top w0.254: v1(57.94,48.57) 57.78,48.41 arc(57.6,48.29) 57.39,48.25 U2.19
  In1.Cu w0.254: v1(57.94,48.57) 58.58,48.57 arc(59.18,48.45) 59.68,48.12 61.06,46.74 arc(62.24,44.97) 62.66,42.89 62.66,41.76 arc(62.24,39.68) 61.06,37.91 40.83,17.68 arc(39.06,16.5) 36.98,16.09 36.62,16.09 arc(34.54,15.67) 32.78,14.49 31.74,13.46 arc(30.56,11.7) 30.15,9.61 30.15,3.5 arc(30.26,2.94) 30.58,2.46
COL3: length 71.2
  Top w0.254: U2.20 56.15,48.75 arc(56.47,48.81) 56.75,49 v1(57,49.25)
  In1.Cu w0.254: J14.3 32.33,3.25 arc(31.42,4.61) 31.1,6.22 31.1,10.26 arc(31.44,11.96) 32.4,13.4 arc(33.84,14.36) 35.54,14.7 37.85,14.7 arc(39.93,15.11) 41.69,16.29 62.91,37.51 arc(64.09,39.27) 64.5,41.35 64.5,42.45 arc(64.09,44.53) 62.91,46.29 60.91,48.29 arc(59.79,49.04) 58.47,49.3 57.08,49.3 arc(57.05,49.29) 57.02,49.27 v1(57,49.25)
COL4: length 79.7
  Top w0.254: v1(44.25,48.75) 44.5,48.5 arc(44.78,48.31) 45.1,48.25 U2.42
  In1.Cu w0.254: v1(44.25,48.75) 45.62,50.12 arc(45.69,50.19) 45.77,50.27 arc(45.85,50.34) 45.93,50.41 46.01,50.48 arc(46.18,50.62) 46.35,50.74 arc(46.53,50.86) 46.72,50.98 arc(46.9,51.08) 47.1,51.17 arc(47.29,51.26) 47.49,51.34 arc(47.7,51.41) 47.9,51.47 arc(48.11,51.52) 48.32,51.56 arc(48.54,51.59) 48.75,51.62 arc(48.96,51.63) 49.18,51.64 62.31,51.64 arc(64.39,51.22) 66.16,50.04 68.66,47.54 arc(69.84,45.78) 70.25,43.69 70.25,1.53 arc(70.2,1.27) 70.05,1.05 arc(69.83,0.9) 69.56,0.85 68.07,0.85 arc(67.68,0.92) 67.36,1.14 67.06,1.44
COL5: length 74.1
  Top w0.254: U2.43 45.1,47.75 arc(44.78,47.69) 44.5,47.5 v1(44.25,47.25)
  In1.Cu w0.254: J13.2 69.01,44.23 arc(68.6,46.31) 67.42,48.08 66.39,49.11 arc(64.63,50.29) 62.55,50.7 56.98,50.7 arc(54.9,50.29) 53.13,49.11 52.87,48.84 arc(51.11,47.66) 49.02,47.25 v1(44.25,47.25)
ROTA: length 57.6
  Top w0.254: U2.29 51.75,53.21 arc(51.93,54.1) 52.43,54.85 52.54,54.96 arc(53.41,55.55) 54.44,55.75 87.3,55.75 arc(89.38,56.16) 91.14,57.34 98.64,64.84 arc(98.69,64.89) 98.75,64.95 arc(98.8,65.01) 98.85,65.07 98.9,65.13 arc(98.99,65.26) 99.07,65.39 arc(99.15,65.53) 99.21,65.68 arc(99.27,65.82) 99.32,65.98 arc(99.35,66.13) 99.38,66.29 99.39,66.36 arc(99.4,66.44) 99.4,66.52 99.4,66.59 arc(99.4,66.6) 99.4,66.61 arc(99.4,66.61) 99.4,66.62 99.4,66.69 arc(99.4,66.77) 99.39,66.84 99.38,66.92 arc(99.35,67.08) 99.32,67.23 arc(99.27,67.38) 99.22,67.52 arc(99.15,67.67) 99.08,67.8 arc(99,67.94) 98.9,68.06 98.86,68.13 arc(98.81,68.19) 98.75,68.24 arc(98.7,68.3) 98.64,68.36 J16.2
ROTB: length 53.9
  Top w0.254: U2.30 51.25,54.15 arc(51.41,54.94) 51.85,55.6 arc(52.52,56.05) 53.3,56.2 86.68,56.2 arc(88.76,56.62) 90.53,57.8 97.58,64.85 arc(97.89,65.31) 98,65.86
ROTD: length 71.9
  Top w0.254: U2.10 52.75,42.93 arc(52.9,42.17) 53.33,41.52 53.94,40.92 arc(53.97,40.87) 53.98,40.8 v1(53.98,40.74)
  In2.Cu w0.254: v1(53.98,40.74) 53.24,39.99 arc(52.41,39.44) 51.44,39.25 29.21,39.25 arc(27.12,39.66) 25.36,40.84 1.14,65.06 arc(0.67,65.77) 0.5,66.6 arc(0.67,67.43) 1.14,68.14 J10.2
ROW2: length 67.4
  Top w0.254: U2.11 53.25,43.12 arc(53.37,42.54) 53.69,42.05 v1(55,40.75)
  In2.Cu w0.254: v1(55,40.75) 55,41.12 arc(54.89,41.39) 54.62,41.5 28.19,41.5 arc(26.11,41.91) 24.34,43.09 2.36,65.08 arc(2.09,65.48) 2,65.95
ROW3: length 60.5
  Top w0.254: v1(56.02,40.75) 54.01,42.77 arc(53.82,43.05) 53.75,43.39
  In1.Cu w0.254: v1(56.02,40.75) 56.02,40.18 arc(55.99,40.04) 55.91,39.91 arc(55.79,39.83) 55.64,39.8 50.55,39.8 arc(48.47,39.39) 46.71,38.21 43.62,35.12 arc(41.85,33.94) 39.77,33.52 2.03,33.52
ROW4: length 65.2
  Top w0.254: U2.13 56.79,45.25 arc(56.96,45.22) 57.1,45.12 v1(57.24,44.99)
  In1.Cu w0.254: J9.2 38.65,31 arc(40.73,31.41) 42.49,32.59 47.01,37.11 arc(48.77,38.29) 50.85,38.7 54.61,38.7 arc(55.62,38.9) 56.47,39.47 arc(57.04,40.32) 57.24,41.32 v1(57.24,44.99)
ROW5: length 69.6
  Top w0.254: U2.14 56.82,45.75 arc(56.99,45.78) 57.12,45.88 v1(57.25,46)
  In1.Cu w0.254: v1(57.25,46) 58.07,45.17 arc(58.69,44.26) 58.9,43.18 58.9,41.07 arc(58.49,38.99) 57.31,37.23 55.97,35.89 arc(54.21,34.71) 52.13,34.3 48.02,34.3 arc(45.94,33.89) 44.17,32.71 41.76,30.29 arc(39.99,29.11) 37.91,28.7 2.41,28.7
USBDN: length 39.1
  Top w0.2: v2(49.77,90) 50.49,89.28 arc(50.66,89.25) 50.75,89.39 ; 50.75,89.39 50.75,87.49 arc(50.78,87.36) 50.85,87.25 ; 50.75,89.39 50.75,92.47 ; v2(49.77,92) 49.76,92.01 arc(49.75,92.03) 49.75,92.04 49.75,93.03
  Top w0.25: 51.03,87.08 51.1,87
  Top w0.254: 51.15,58.58 50.7,59.02 arc(50.37,59.52) 50.25,60.11 50.25,81.04 arc(50.42,81.88) 50.9,82.6 arc(51.37,83.31) 51.54,84.15 51.54,86.09 arc(51.54,86.14) 51.54,86.19 arc(51.54,86.24) 51.53,86.29 51.52,86.34 arc(51.5,86.43) 51.46,86.53 arc(51.42,86.62) 51.37,86.7 51.34,86.74 arc(51.31,86.78) 51.28,86.82 arc(51.25,86.85) 51.21,86.89 51.03,87.08
  Bottom w0.2: v2(49.77,90) v2(49.77,92)
USBDP: length 42.9
  Top w0.2: 49.25,87.95 49.25,93.03 ; 49.25,87.95 49.25,87.49 arc(49.22,87.36) 49.15,87.25 ; 49.25,87.95 49.25,90.16 arc(49.29,90.36) 49.4,90.53 50.15,91.28 arc(50.26,91.44) 50.3,91.63 50.3,92.94
  Top w0.254: 48.91,58.6 49.28,58.98 arc(49.32,59.02) 49.36,59.06 arc(49.4,59.1) 49.44,59.15 49.47,59.19 arc(49.53,59.29) 49.59,59.39 arc(49.64,59.49) 49.68,59.6 arc(49.71,59.71) 49.73,59.82 49.74,59.87 arc(49.74,59.93) 49.75,59.99 arc(49.75,60.04) 49.75,60.1 49.75,81.04 arc(49.58,81.88) 49.1,82.6 arc(48.63,83.31) 48.46,84.15 48.46,86.17 arc(48.53,86.53) 48.74,86.84 49.01,87.11 ; 48.89,58.58 46.5,58.58
Vusb: length 54.9
  Top w0.25: LEDB8.4 81.62,32.29 CB8.1 v1(80,31.75) ; v1(68.25,80.25) CB6.1 67.71,81.87 LEDB6.4 ; LEDB4.4 17.88,67.71 CB4.1 v1(19.75,68) ; v1(16.25,35.25) CB3.1 16.79,33.63 LEDB3.4 ; v1(50,83.75) U1.5 ; v1(64.75,16.25) CB1.1 66.37,16.79 LEDB1.4 ; LEDB2.4 32.29,18.13 CB2.1 v1(31.75,19.75) ; v1(35.5,83.5) CB5.1 33.63,83.21 LEDB5.4 ; LEDB7.4 83.21,66.37 CB7.1 v1(83.75,64.75)
  Top w0.5: 62.16,74.25 v1(61,74.25) ; 47.59,93.03 47.59,91.86 arc(47.58,91.82) 47.56,91.78 v1(47.53,91.75) ; v1(64,74.25) 62.78,74.25 ; 61.9,78.1 61.9,77.17 arc(62.1,76.7) 62.57,76.5 v1(63.25,76.5) ; 52.41,93.03 52.41,91.9 arc(52.42,91.84) 52.46,91.8 v1(52.5,91.75) ; U3.3 61.91,76.49
  vias: v1(61.75,78.25)
Net-(C6-Pad1): length 6.4
  Top w0.254: v1(52,42.25) 52.12,42.38 arc(52.22,42.51) 52.25,42.68 U2.9
  Bottom w0.5: L1.2 v1(52,42.25) 50.97,42.25 ; 50.97,42.21 C6.1
Net-(C17-Pad2): length 11
  Top w0.254: Y1.1 49.55,40.58 arc(49.64,41.04) 49.9,41.43 arc(50.16,41.82) 50.25,42.27 U2.5
  Bottom w0.254: 51.01,35.54 50.3,36.25 arc(49.82,36.35) 49.55,35.94 49.55,33.93
Net-(C18-Pad2): length 8.4
  Top w0.254: R9.1 52.57,39.8 arc(52.75,38.93) 53.24,38.19 Y1.2
  Bottom w0.254: 53.02,35.59 53.72,36.28 arc(54.17,36.38) 54.43,35.99 54.43,33.96
Net-(C_R1-Pad2): length 69.3
  Top w0.25: 90.58,29.71 J1.2
  Top w0.254: v1(49,54.75) 49.12,54.62 arc(49.22,54.49) 49.25,54.32 U2.34
  In2.Cu w0.254: v1(49,54.75) 49.14,54.89 arc(49.29,54.99) 49.47,55.02 70.41,55.02 arc(72.49,54.61) 74.26,53.43 J1.2
Net-(C_R2-Pad1): length 73.8
  Top w0.25: 90.75,32.25 J1.3
  Top w0.254: v1(45,50.75) U2.37
  In2.Cu w0.254: J1.3 76.34,53.88 arc(74.58,55.06) 72.49,55.48 48.97,55.48 arc(48.72,55.43) 48.51,55.28 45.36,52.14 arc(45.09,51.74) 45,51.26 v1(45,50.75)
Net-(D1-Pad2): length 2.5
  Top w0.254: 98.86,42.2 D1.2
Net-(D2-Pad2): length 2.5
  Top w0.254: 98.86,46.2 D2.2
Net-(D3-Pad2): length 2.5
  Top w0.254: 98.86,50.2 D3.2
Net-(D4-Pad2): length 2.5
  Top w0.254: 98.86,54.2 D4.2
Net-(J2-PadA5): length 3.3
  Top w0.25: 51.25,93.03 51.25,91.43 arc(51.36,90.88) 51.67,90.42 R4.2
Net-(J2-PadB5): length 3.3
  Top w0.25: 48.25,93.03 48.25,91.43 arc(48.14,90.88) 47.83,90.42 R2.2
Net-(LEDB1-Pad1): length 37.4
  Top w0.25: v1(65.75,13.5) 65.76,13.5 LEDB1.1 ; LEDB2.3 33,12.26 v1(33,12.25)
  In1.Cu w0.25: v1(65.75,13.5) 35.13,13.5 arc(34.32,13.34) 33.62,12.88 v1(33,12.25)
Net-(LEDB2-Pad1): length 19.3
  Top w0.25: LEDB2.1 28.75,18.99 v1(28.75,19) ; LEDB3.3 17.75,27.51 v1(17.75,27.5) 17.75,27.51 arc(17.75,27.51) 17.75,27.52
  In1.Cu w0.25: v1(17.75,27.5) 19,27.5 arc(20.15,27.27) 21.13,26.62 v1(28.75,19)
Net-(LEDB3-Pad1): length 37.6
  Top w0.25: v1(13.5,34.25) 13.5,34.24 LEDB3.1 ; LEDB4.3 12.01,66.75 v1(12,66.75) 12.01,66.75 arc(12.01,66.75) 12.02,66.75
  In1.Cu w0.25: v1(13.5,34.25) 12.75,35 arc(12.19,35.83) 12,36.81 v1(12,66.75)
Net-(LEDB4-Pad1): length 19.3
  Top w0.25: LEDB5.3 27.76,82.5 v1(27.75,82.5) 27.76,82.5 arc(27.76,82.5) 27.77,82.5 ; LEDB4.1 18.74,71 v1(18.75,71)
  In1.Cu w0.25: v1(18.75,71) 18.75,72.25 arc(18.98,73.4) 19.63,74.38 v1(27.75,82.5)
Net-(LEDB5-Pad1): length 37.7
  Top w0.25: v1(66.75,87.75) 66.99,87.75 LEDB6.3 ; LEDB5.1 34.24,86.5 v1(34.25,86.5)
  In1.Cu w0.25: v1(66.75,87.75) 66.12,87.12 arc(65.43,86.66) 64.62,86.5 v1(34.25,86.5)
Net-(LEDB6-Pad1): length 19.3
  Top w0.25: v1(71.25,81) 71.25,81.01 LEDB6.1 ; LEDB7.3 82.25,72.49 v1(82.25,72.5) 82.25,72.49 arc(82.25,72.49) 82.25,72.48
  In1.Cu w0.25: v1(82.25,72.5) 81,72.5 arc(79.85,72.73) 78.87,73.38 v1(71.25,81)
Net-(LEDB7-Pad1): length 38
  Top w0.25: 85.93,31.18 LEDB8.3 ; v1(86.75,65.5) 86.75,65.51 LEDB7.1 ; LEDB8.3 87.99,33.25 v1(88,33.25) 87.99,33.25 arc(87.99,33.25) 87.98,33.25
  In1.Cu w0.25: v1(88,33.25) 87.38,33.88 arc(86.91,34.57) 86.75,35.38 v1(86.75,65.5)
Net-(LEDB8-Pad1): length 3.4
  Top w0.25: 80.31,28.04 LEDB8.1
Net-(R3-Pad1): length 2
  Top w0.254: R6.2 R3.1
Net-(R6-Pad1): length 15.5
  Top w0.254: 45.98,47.25 46.36,47.25 46.12,47.25 arc(45.55,47.14) 45.06,46.81 v1(44.25,46) ; v1(43,35.75) R6.1
  In1.Cu w0.254: v1(43,35.75) 43.62,36.38 arc(44.09,37.07) 44.25,37.88 v1(44.25,46)
Net-(R7-Pad1): length 4.8
  Top w0.254: 48.75,56.75 49.25,56.25 arc(49.62,55.7) 49.75,55.04 U2.33
Net-(R8-Pad1): length 3.9
  Top w0.254: 50.25,52.87 50.25,55.22 arc(50.35,55.71) 50.62,56.12 51,56.5
Net-(R9-Pad2): length 3
  Top w0.254: U2.6 R9.2
Net-(R10-Pad2): length 47.3
  Top w0.254: R10.2 88.68,50.41 arc(86.92,51.59) 84.83,52 53.71,52
Net-(R11-Pad2): length 46.8
  Top w0.254: 53.25,52.8 53.25,52.91 arc(53.27,53.01) 53.33,53.09 53.42,53.19 arc(53.57,53.29) 53.75,53.33 arc(53.93,53.29) 54.08,53.19 54.23,53.04 arc(54.55,52.82) 54.93,52.75 86.25,52.75 arc(88.33,52.34) 90.09,51.16 94.6,46.65 arc(95.32,46.17) 96.17,46 R11.2
Net-(R12-Pad2): length 47.1
  Top w0.254: U2.27 52.75,53.32 arc(52.76,53.39) 52.8,53.45 52.81,53.45 arc(52.81,53.45) 52.81,53.46 52.82,53.46 arc(52.83,53.47) 52.83,53.49 arc(52.83,53.5) 52.84,53.51 53.13,53.8 arc(53.46,54.02) 53.86,54.1 53.98,54.1 arc(54.37,54.02) 54.7,53.8 arc(55.03,53.58) 55.42,53.5 91.33,53.5 arc(93.42,53.09) 95.18,51.91 R12.2
Net-(R13-Pad2): length 47.2
  Top w0.254: R13.2 96.6,54.49 arc(96.06,54.85) 95.42,54.98 53.95,54.98 arc(53.3,54.85) 52.75,54.48 arc(52.38,53.93) 52.25,53.28 U2.28

## Copper pours and planes (outline as drawn; the poured copper is in the pictures)
+3V3 on Bottom: 68,32 32,32 32,68 68,68
GND on Top: 42.9,91.9 45.8,91.9 45.8,93.5 54.2,93.5 54.2,91.9 57.1,91.9 57.1,100 100,100 100,0 0,0 0,100 42.9,100
/SHIELD on Top: 56.75,92.25 54.5,92.25 54.5,100 56.75,100
/SHIELD on Top: 45.5,92.25 43.25,92.25 43.25,100 45.5,100
/SHIELD on Bottom: 54.5,92.25 56.75,92.25 56.75,100 54.5,100
/SHIELD on Bottom: 43.25,92.25 45.5,92.25 45.5,100 43.25,100
Vusb on Bottom: 0,0 0,100 42.9,100 42.9,91.9 45.8,91.9 45.8,93.5 54.2,93.5 54.2,91.9 57.1,91.9 57.1,100 100,100 100,0 ; 1 cut-out

## Text on the board
Bottom: 4
B.Silkscreen: 202206
User.Comments: Keyboard switch board / uses only 2 layers | MCU board / 4 layers
Top: 1
F.Silkscreen: JLCJLCJLCJLC
In1.Cu: 2
In2.Cu: 3
